# KiCad board motherboard.kicad_pcb (continued)
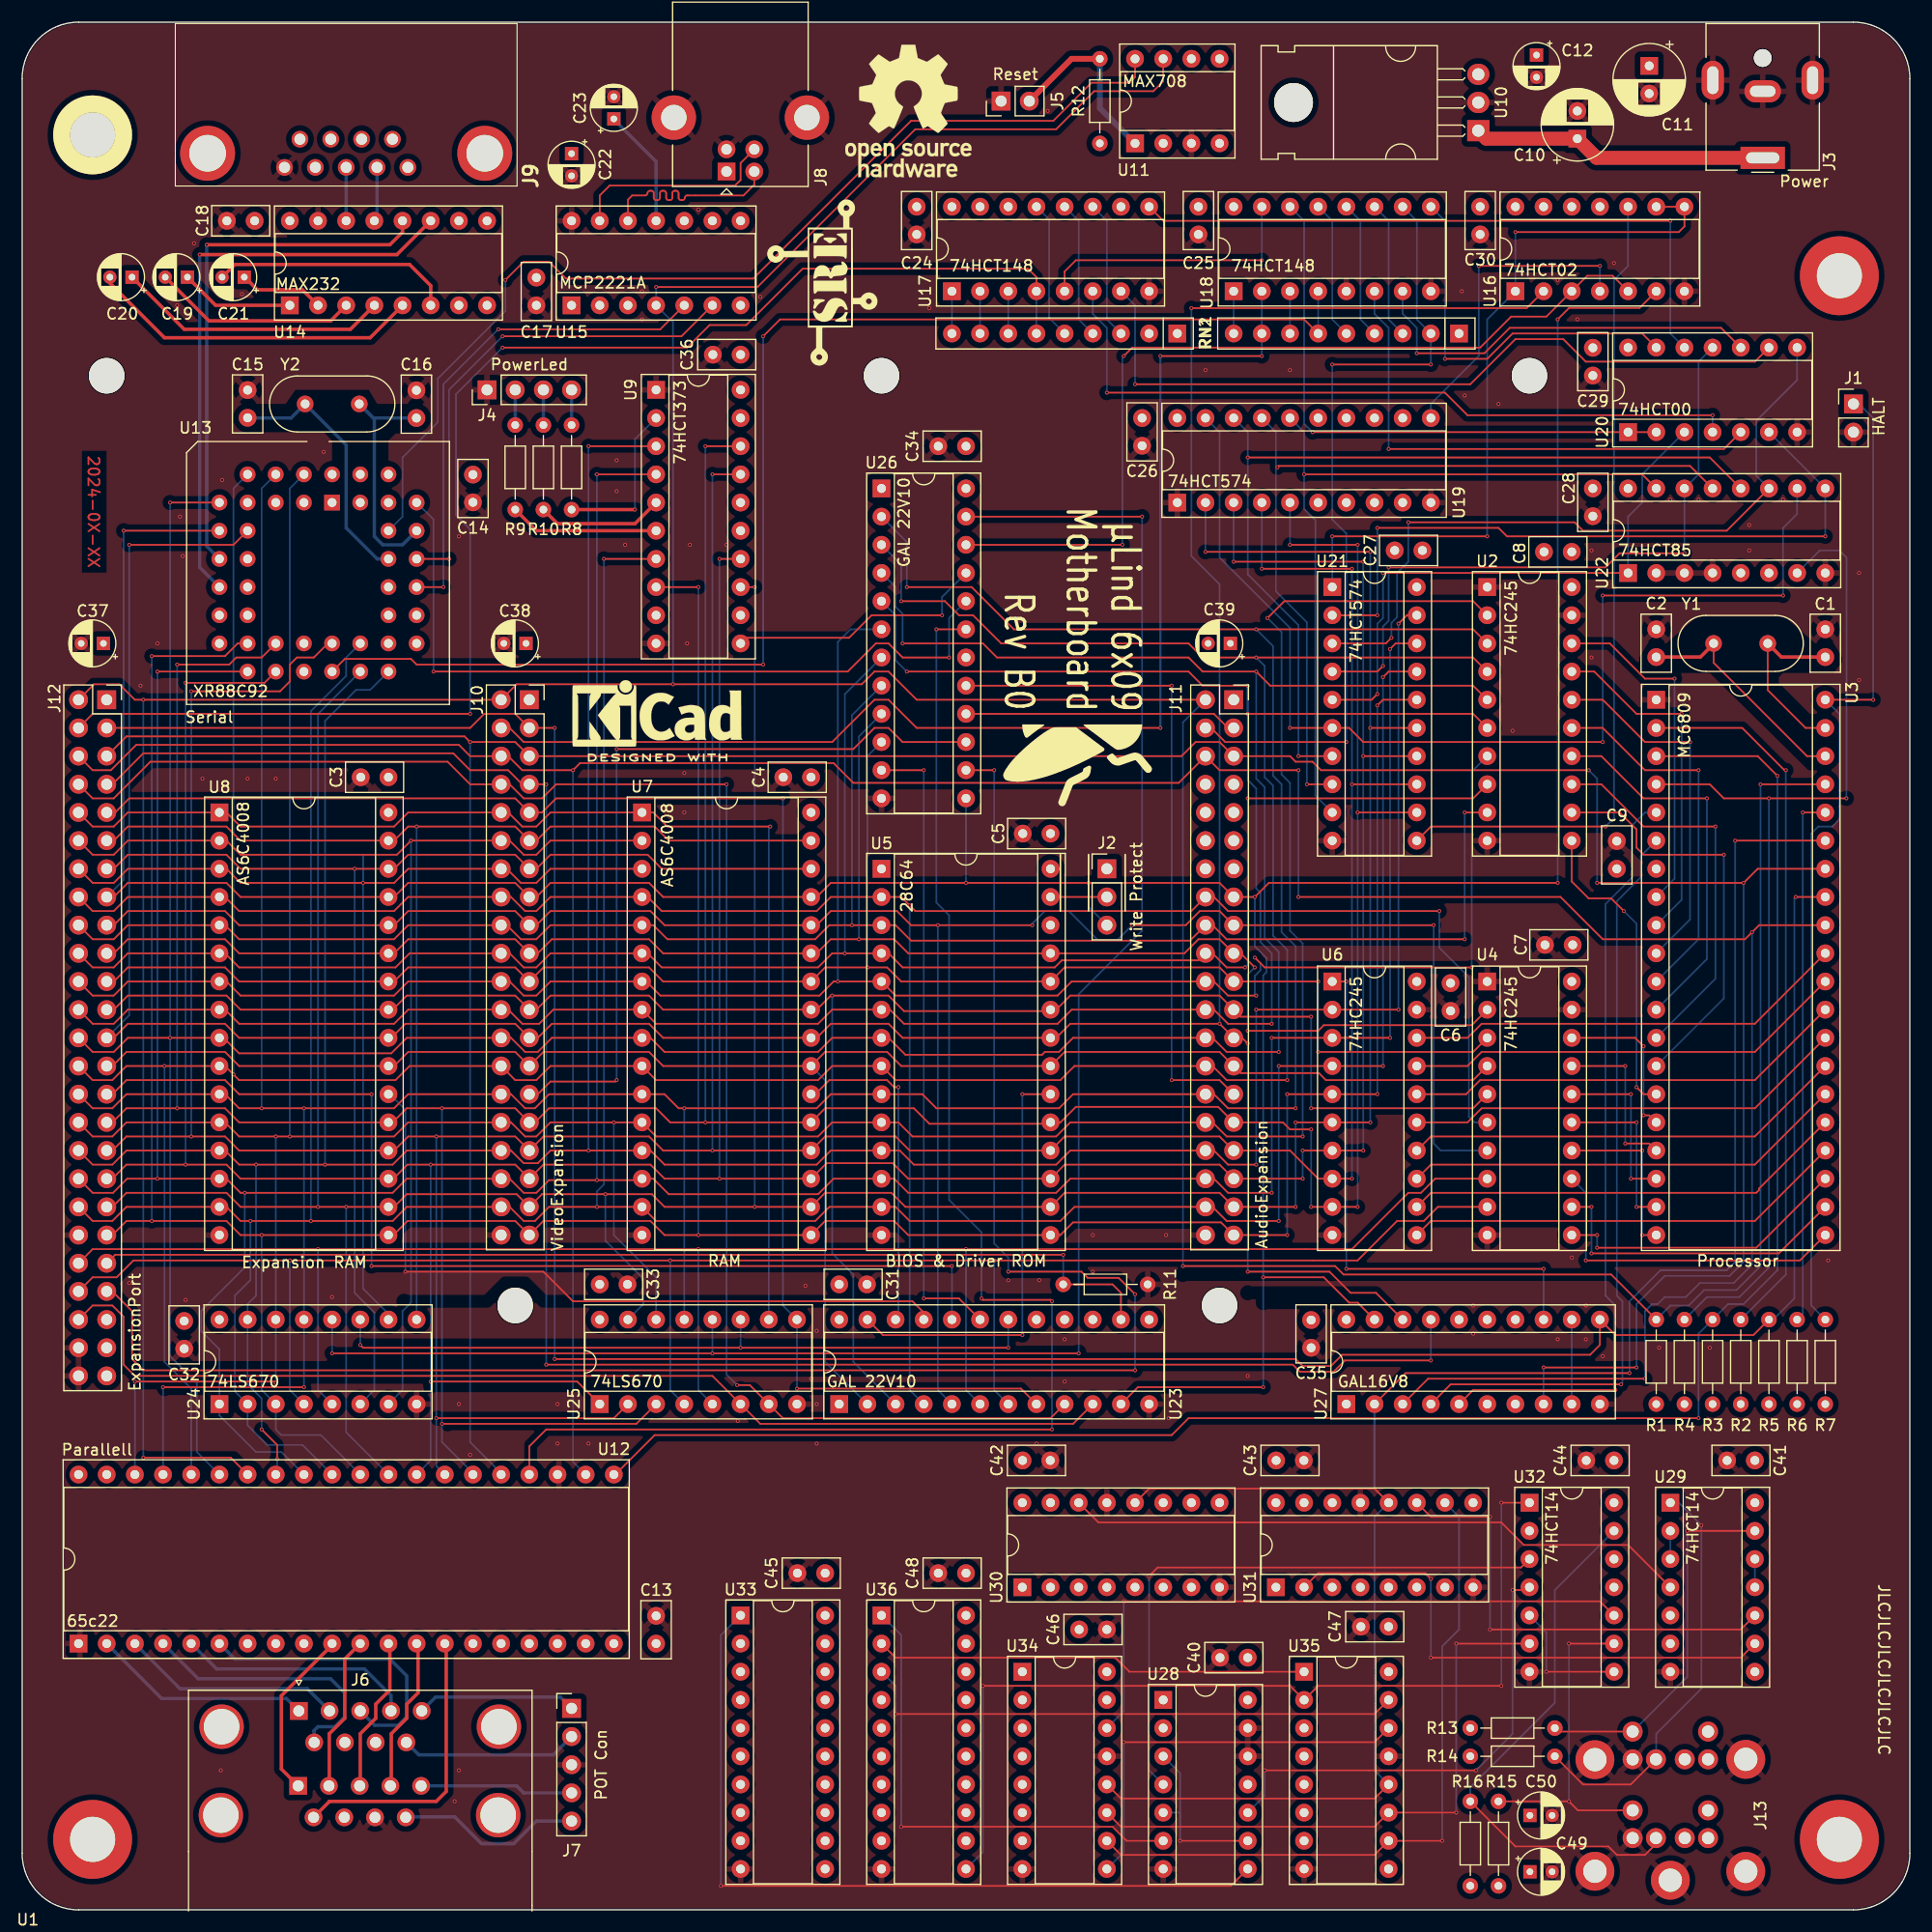
[diagram p0: board, top side]
## Routing (per net, layer and track width the routed paths; a pad name or vN(x,y) marks a point on that pad's centre or on a via; arc(x,y) is an arc through that point) (continued)
/D1: length 331
  Top w0.152: v1(112.65,64.64) 108.71,64.64 107.44,65.91 J11.36 94.49,65.91 93.22,64.64 79.88,64.64 78.61,65.91 U5.12 73.15,65.91 71.75,64.52 58.29,64.52 56.9,65.91 U7.14 55.75,65.79 47.5,65.79 46.35,64.64 45.21,64.64 43.94,65.91 J10.36 34.67,65.91 33.4,64.64 v1(20.07,64.64) 19.68,64.64 18.41,65.91 U8.14 9.46,65.91 8.19,64.64 6.35,64.64 J12.36 ; v1(112.65,78.61) U6.3 v1(123.32,78.61) ; U21.18 123.83,114.17 v1(123.32,113.66) ; v1(51.82,129.41) 51.69,129.41 U9.4 ; U13.18 v1(12.19,111.63)
  Bottom w0.152: U12.32 23.37,41.28 21.08,41.28 17.78,44.58 U24.1 17.78,50.55 16.13,52.2 16.13,53.97 20.07,57.91 v1(20.07,64.64) ; v1(123.32,78.61) v1(123.32,113.66) ; v1(51.82,129.41) v1(51.82,65.79) ; v1(112.65,78.61) v1(112.65,64.64) ; v1(12.19,111.63) v1(12.19,65.91)
/D2: length 321.9
  Top w0.152: v1(113.28,76.07) U6.4 v1(122.68,76.07) ; v1(122.68,111.12) 123.19,111.63 U21.17 ; J12.38 6.35,62.1 8.13,62.1 9.4,63.37 U8.15 18.41,63.37 19.68,62.1 v1(20.57,62.1) 33.4,62.1 34.67,63.37 J10.38 43.94,63.37 45.21,62.1 46.23,62.1 47.5,63.37 U7.15 57.15,62.1 71.5,62.1 72.77,63.37 U5.13 78.74,63.37 80.01,62.1 93.6,62.1 94.87,63.37 J11.38 107.31,63.37 108.58,62.1 v1(113.28,62.1) ; U9.7 v1(52.45,121.79)
  Bottom w0.152: v1(20.57,62.1) 20.57,56.77 19.18,55.37 19.18,46.74 U24.2 20.32,43.69 22.1,41.91 25.27,41.91 U12.31 ; v1(26.04,62.1) 26.04,108.08 29.21,111.25 29.21,112.9 U13.27 ; v1(52.45,121.79) 52.45,65.41 51.82,64.77 v1(51.82,63.37) ; v1(113.28,62.1) v1(113.28,76.07) ; v1(122.68,76.07) v1(122.68,111.12)
/D3: length 320.8
  Top w0.152: U21.16 122.68,109.09 v1(122.17,108.59) ; v1(122.17,73.53) U6.5 v1(114.05,73.53) ; J12.39 8.13,60.83 9.4,62.1 18.41,62.1 19.68,60.83 U8.17 33.46,60.83 34.73,62.1 44.45,62.1 J10.39 46.99,62.1 56.64,62.1 57.91,60.83 U7.17 72.39,62.1 78.61,62.1 79.88,60.83 U5.15 93.6,60.83 94.74,61.98 108.08,61.98 J11.39 v1(114.05,60.83) ; U13.19 19.43,114.17 18.29,113.03 v1(11.68,113.03) ; U9.8 v1(60.96,119.25)
  Bottom w0.152: v1(11.68,113.03) v1(11.68,62.1) ; U12.30 26.92,42.8 23.37,42.8 22.86,43.31 U24.3 21.59,46.86 v1(21.59,60.83) ; v1(60.96,119.25) v1(60.96,60.83) ; v1(122.17,73.53) v1(122.17,108.59) ; v1(114.05,73.53) v1(114.05,60.83)
/D4: length 347.5
  Top w0.152: v1(121.54,106.55) U21.15 ; v1(121.54,70.99) U6.6 v1(114.81,70.99) ; v1(114.81,63.37) J11.37 107.95,64.64 93.98,64.64 U5.16 79.63,63.37 78.36,64.64 72.39,64.64 U7.18 57.91,63.37 56.77,64.52 46.86,64.52 J10.37 44.58,64.52 34.67,64.52 33.53,63.37 U8.18 19.68,63.37 18.41,64.64 9.4,64.64 8.13,63.37 J12.37 ; v1(121.54,122.43) v1(106.68,122.43) ; U9.13 v1(66.04,119.25)
  Bottom w0.152: v1(121.54,122.43) v1(121.54,106.55) v1(121.54,70.99) ; v1(26.67,63.37) 26.67,107.82 U13.26 ; U12.29 29.21,43.05 v1(29.21,63.37) ; v1(106.68,122.43) U19.2 ; v1(52.58,64.52) 52.58,60.32 56.01,56.9 56.01,54.61 U25.15 ; v1(66.04,119.25) v1(66.04,63.37) ; v1(114.81,63.37) v1(114.81,70.99)
/D5: length 350.4
  Top w0.152: v1(120.9,68.45) U6.7 v1(115.44,68.45) ; v1(14.73,110.62) 21.84,110.62 U13.20 ; U25.1 50.04,47.62 v1(36.83,47.62) ; v1(115.44,65.91) J11.35 107.95,67.18 93.98,67.18 U5.17 79.88,65.91 78.49,67.31 72.52,67.31 U7.19 57.91,65.91 56.64,67.18 46.99,67.18 J10.35 44.45,67.18 34.73,67.18 33.46,65.91 U8.19 19.68,65.91 18.41,67.18 9.4,67.18 8.13,65.91 J12.35 ; U9.14 v1(62.86,121.79) ; v1(120.9,104.01) U21.14 ; v1(120.9,121.54) v1(109.22,121.54)
  Bottom w0.152: v1(62.86,121.79) v1(62.86,65.91) ; v1(115.44,68.45) v1(115.44,65.91) ; v1(36.83,67.18) 36.83,40.51 U12.28 ; v1(14.73,110.62) v1(14.73,67.18) ; v1(120.9,121.54) v1(120.9,104.01) v1(120.9,68.45) ; v1(109.22,121.54) U19.3
/D6: length 361.1
  Top w0.152: U9.17 v1(62.23,129.41) ; v1(119.89,101.47) U21.13 ; v1(37.34,44.32) 53.34,44.32 U25.2 ; v1(15.24,109.85) 23.24,109.85 24.13,110.74 24.13,112.27 24.76,112.9 26.29,112.9 27.56,114.17 U13.25 ; v1(119.89,65.91) U6.8 116.84,65.91 114.3,68.45 J11.33 107.95,69.72 93.98,69.72 U5.18 80.01,68.45 78.74,69.72 72.39,69.72 U7.20 57.78,68.45 56.52,69.72 46.99,69.72 J10.33 44.45,69.72 34.8,69.72 33.53,68.45 U8.20 19.56,68.45 18.29,69.72 9.4,69.72 8.13,68.45 J12.33 ; v1(119.89,120.9) v1(111.76,120.9)
  Bottom w0.152: v1(119.89,65.91) v1(119.89,101.47) v1(119.89,120.9) ; v1(111.76,120.9) U19.4 ; v1(37.34,69.72) 37.34,40 U12.27 ; v1(15.24,109.85) v1(15.24,69.72) ; v1(62.23,129.41) v1(62.23,68.45)
/D7: length 368.5
  Top w0.152: U9.18 v1(61.59,131.95) ; v1(116.2,63.37) U6.9 v1(120.4,63.37) ; v1(37.85,43.81) 55.37,43.81 U25.3 ; v1(120.4,98.93) U21.12 ; v1(13.97,112.27) 18.67,112.27 19.3,112.9 21.59,112.9 U13.21 ; v1(116.2,70.36) 114.3,70.36 113.67,70.99 J11.31 107.82,72.39 95,72.39 93.6,70.99 U5.19 92.58,70.87 81.79,70.87 80.39,72.26 72.39,72.26 U7.21 58.42,70.99 57.15,72.26 47.5,72.26 46.23,70.99 J10.31 44.45,72.26 34.67,72.26 33.4,70.99 U8.21 19.56,70.99 18.29,72.26 9.4,72.26 8.13,70.99 J12.31 ; v1(120.4,123.06) v1(114.3,123.06)
  Bottom w0.152: v1(61.59,131.95) v1(61.59,70.99) ; v1(116.2,63.37) v1(116.2,70.36) ; v1(13.97,112.27) v1(13.97,72.26) ; v1(37.85,72.26) 37.85,42.16 40.64,39.37 U12.26 ; v1(120.4,63.37) v1(120.4,98.93) v1(120.4,123.06) ; v1(114.3,123.06) U19.5
/Expansion Ports/BAVAIL: length 178.4
  Top w0.152: v1(47.24,101.47) J10.7 45.08,101.47 43.81,102.74 40.39,102.74 38.86,104.27 10.92,104.27 8.13,101.47 J12.7 ; v1(47.24,49.15) 114.55,49.15 115.19,48.51 118.24,48.51 119.25,49.53 v1(127,49.53)
  Bottom w0.152: v1(47.24,49.15) v1(47.24,101.47) ; v1(127,49.53) U27.17
/Expansion Ports/E: length 298.2
  Top w0.152: v1(141.99,92.58) v1(155.19,92.58) 156.46,93.85 U3.34 ; v1(141.22,102.74) 117.09,102.74 116.33,103.5 114.81,103.5 114.3,104.01 J11.5 107.95,105.28 105.79,105.28 104.52,104.01 J10.5 44.45,105.28 v1(40.39,105.28) 39.88,105.79 9.4,105.79 J12.5 ; v1(145.54,48.9) v1(137.16,48.9)
  Bottom w0.152: v1(141.99,92.58) 141.99,101.98 v1(141.22,102.74) ; v1(155.19,92.58) 155.19,58.42 153.92,57.15 148.08,57.15 145.54,54.61 v1(145.54,48.9) ; v1(40.39,105.28) 40.39,42.16 43.18,39.37 U12.25 ; v1(137.16,48.9) U27.8
/Expansion Ports/R/~{W}: length 310.2
  Top w0.152: v1(115.06,102.74) 107.95,102.74 J11.6 104.27,101.6 74.93,101.6 73.15,103.38 50.29,103.38 v1(49.66,102.74) 45.08,102.74 43.81,104.01 J10.6 40.39,104.01 39.37,105.03 10.29,105.03 8,102.74 6.35,102.74 J12.6 ; U3.32 156.59,88.77 v1(155.96,88.14) 155.32,87.5 142.49,87.5 138.68,91.31 v1(115.06,91.31) ; v1(146.3,47.88) 126.75,47.88 U27.3
  Bottom w0.152: v1(155.96,88.14) 155.96,58.17 154.31,56.52 151.26,56.52 149.99,55.25 148.08,55.25 147.45,54.61 146.94,54.61 146.3,53.97 v1(146.3,47.88) ; v1(49.66,102.74) 49.66,40.39 U12.22 ; v1(115.06,91.31) v1(115.06,102.74)
/Expansion Ports/~{BREQ}: length 254.3
  Top w0.152: J12.3 40.39,106.55 41.66,107.82 44.45,107.82 J10.3 v1(48.01,106.55) ; R5.1 156.08,51.82 143.64,51.82 U27.11 142.24,50.93 141.35,50.04 119,50.04 117.98,49.02 115.44,49.02 114.81,49.66 v1(48.01,49.66) ; v1(159.89,91.31) U3.33
  Bottom w0.152: v1(159.89,91.31) 159.77,91.19 159.77,55.12 157.86,53.21 R5.1 ; v1(48.01,106.55) v1(48.01,49.66)
/Expansion Ports/~{MAP_EN}: length 97.2
  Top w0.152: U23.14 99.06,55.63 98.3,56.39 R11.1 ; J12.41 8.38,59.06 v1(93.85,59.06)
  Bottom w0.152: v1(93.85,59.06) R11.1
/Expansion Ports/~{RAMX_EN}: length 97.6
  Top w0.152: v1(31.5,73.53) 19.56,73.53 18.29,74.8 9.4,74.8 8.13,73.53 J12.29 ; v1(31.5,58.04) v1(83.82,58.04)
  Bottom w0.152: v1(31.5,58.04) v1(31.5,73.53) ; v1(83.82,58.04) U23.20
/Expansion Ports/~{RD}: length 299.1
  Top w0.152: v1(110.49,78.1) 109.98,78.61 J11.25 v1(107.95,79.88) 94.49,79.88 93.22,78.61 U5.22 79.38,78.61 78.1,79.88 72.9,79.88 71.63,78.61 U7.24 57.78,78.61 56.52,79.88 47.75,79.88 46.48,78.61 J10.25 44.45,79.88 34.54,79.88 33.27,78.61 U8.24 19.56,78.61 18.29,79.88 9.53,79.88 8.25,78.61 J12.25 ; v1(9.65,123.06) 19.05,123.06 U13.10 ; v1(105.41,144.4) 135.64,144.4 U16.2 ; U27.18 122.05,55.63 119.76,55.63 117.86,57.53 v1(110.49,57.53)
  Bottom w0.152: v1(107.95,79.88) 107.95,119.51 105.41,122.05 v1(105.41,144.4) ; J12.25 9.65,80.65 v1(9.65,123.06) ; v1(110.49,78.1) v1(110.49,57.53)
/Expansion Ports/~{RST}: length 495.2
  Top w0.152: J11.2 80.64,109.09 78.1,111.63 76.83,111.63 75.69,110.49 44.58,110.49 J10.2 v1(10.92,109.09) 10.16,109.09 8.76,110.49 6.48,110.49 J12.2 ; v1(156.72,101.47) U3.37 ; v1(57.15,146.3) 66.29,146.3 80.52,160.53 93.22,160.53 96.65,163.96 101.98,163.96 102.87,164.85 U11.7 ; R1.1 143.26,57.28 119.13,57.28 118.36,58.04 v1(104.65,58.04) ; U34.10 99.06,4.95 121.92,4.95 U35.10 v1(128.02,6.22) ; U12.34 18.8,40.77 v1(10.92,40.77)
  Bottom w0.152: v1(104.65,58.04) 104.65,107.06 J11.2 ; v1(128.02,6.22) 128.02,23.75 129.54,25.27 129.54,35.43 U31.10 ; v1(156.72,101.47) 156.72,58.04 154.56,55.88 151.64,55.88 150.24,54.48 148.59,54.48 R1.1 ; v1(10.92,109.09) v1(10.92,40.77) ; v1(58.67,110.49) 58.67,143.13 U15.4 v1(57.15,146.3)
/Expansion Ports/~{WR}: length 320.5
  Top w0.152: v1(111.89,47.12) 100.58,47.12 U23.11 ; v1(138.43,92.58) 112.39,92.58 v1(111.12,91.31) J11.15 107.95,92.58 72.9,92.58 71.63,91.31 U7.29 57.78,91.31 56.52,92.58 47.62,92.58 46.35,91.31 J10.15 44.45,92.58 34.8,92.58 33.53,91.31 U8.29 19.68,91.31 18.41,92.58 9.53,92.58 8.25,91.31 J12.15 ; v1(138.43,143.38) 139.47,144.42 145.82,144.42 U16.6 ; U13.9 v1(9.14,124.33) ; v1(111.89,57.02) 117.35,57.02 119.63,54.74 120.4,54.74 U27.19
  Bottom w0.152: J2.3 96.14,90.42 v1(96.14,92.58) ; v1(9.14,124.33) 9.14,92.84 J12.15 ; v1(111.89,47.12) 111.89,84.25 112.18,84.54 112.18,85.81 111.12,86.87 v1(111.12,91.31) ; v1(138.43,92.58) v1(138.43,143.38) ; U26.13 v1(85.09,92.58)
/Power-Management/RST: length 94.2
  Top w0.152: U11.8 100.33,165.23 99.82,164.72 96.39,164.72 92.96,161.29 80.14,161.29 65.91,147.07 49.02,147.07 47.5,148.59 45.21,148.59 v1(43.56,146.94)
  Bottom w0.152: v1(43.56,146.94) 43.56,144.14 37.46,138.05 37.46,134.11 34.29,130.94 34.29,125.6 U13.38
/PS2/PS2_KB_CLK: length 30.7
  Top w0.152: U32.9 v1(139.45,24) ; J13.11 140.26,8.97 v1(139.45,9.78) R15.2
  Bottom w0.152: v1(139.45,24) v1(139.45,9.78)
/PS2/PS2_KB_DATA: length 49.4
  Top w0.152: J13.7 147.29,5.94 146.3,4.95 143.76,4.95 143,5.72 134.62,5.72 R16.2
  Bottom w0.152: U32.13 138.18,28.83 138.18,18.67 130.56,11.05 R16.2
/PS2/PS2_M_CLK: length 33.4
  Top w0.152: J13.5 138.49,16.07 R13.2 ; U29.13 v1(150.11,34.16)
  Bottom w0.152: v1(150.11,34.16) 150.11,20.99 J13.5
/PS2/PS2_M_DATA: length 37.5
  Top w0.152: J13.1 145.03,11.3 140.72,11.3 R14.2
  Bottom w0.152: J13.1 147.32,13.6 147.32,15.88 151.38,19.94 v1(151.38,34.67) 149.35,36.7 U29.1
/Serial-Parallel/D+: length 18.8
  Top w0.152: J8.3 66,158.71 64.77,157.48 64.77,155.96 64.26,155.45 52.96,155.45 52.07,154.56 U15.13
/Serial-Parallel/D-: length 18.8
  Top w0.152: U15.12 54.61,154.18 54.99,154.56 56.17,154.56 arc(56.32,154.62) 56.38,154.77 arc(56.44,154.92) 56.59,154.98 56.73,154.98 arc(56.88,154.92) 56.94,154.77 56.94,154.35 arc(57,154.2) 57.15,154.14 57.29,154.14 arc(57.44,154.2) 57.5,154.35 57.5,154.77 arc(57.56,154.92) 57.71,154.98 57.85,154.98 arc(58,154.92) 58.06,154.77 58.06,154.35 arc(58.12,154.2) 58.27,154.14 58.41,154.14 arc(58.56,154.2) 58.62,154.35 58.62,154.77 arc(58.68,154.92) 58.83,154.98 58.97,154.98 arc(59.12,154.92) 59.18,154.77 59.18,154.35 arc(59.24,154.2) 59.39,154.14 59.53,154.14 arc(59.68,154.2) 59.74,154.35 arc(59.8,154.5) 59.95,154.56 65.02,154.56 66,155.53 J8.2
/~{IRQ_0}: length 124.1
  Top w0.152: RN2.6 115.57,143.38 68.33,143.38 v1(66.8,141.86) ; v1(66.8,112.27) 35.56,112.27 35.05,112.78 29.08,112.78 U13.24
  Bottom w0.152: U18.4 RN2.6 ; v1(66.8,141.86) v1(66.8,112.27)
/~{IRQ_1}: length 3.8
  Bottom w0.152: U18.3 RN2.7
/~{IRQ_2}: length 111.1
  Top w0.152: v1(102.62,140.08) v1(111.76,140.08) ; v1(102.62,106.55) 80.64,106.55 78.1,109.09 76.83,109.09 73.02,105.28 45.21,105.28 43.94,106.55 J10.4
  Bottom w0.152: U18.2 RN2.8 v1(111.76,140.08)
  Bottom w0.203: v1(102.62,106.55) v1(102.62,140.08)
/~{IRQ_3}: length 3.8
  Bottom w0.152: U18.1 RN2.9
/~{IRQ_4}: length 12.5
  Bottom w0.152: U18.13 118.11,152.27 118.11,143.38 RN2.5
/~{IRQ_5}: length 12.5
  Bottom w0.152: RN2.4 120.65,143.38 120.65,152.27 U18.12
/~{IRQ_6}: length 12.5
  Bottom w0.152: RN2.3 123.19,143.38 123.19,152.27 U18.11
/~{IRQ_7}: length 72
  Top w0.152: J11.4 107.19,106.55 108.46,105.28 v1(119.38,105.28) ; v1(118.11,139.32) v1(127,139.32)
  Bottom w0.152: v1(127,139.32) RN2.2 125.73,143.38 125.73,152.27 U18.10 ; v1(118.11,139.32) 118.11,125.35 119.38,124.08 v1(119.38,105.28)
/~{IRQ_8}: length 127.6
  Top w0.152: J12.4 6.35,107.82 v1(40.39,107.82) ; U17.4 91.44,147.19 90.68,147.95 70.36,147.95 65.28,142.88 61.98,142.88 59.94,140.84 v1(43.31,140.84)
  Bottom w0.152: U17.4 RN1.6 ; v1(40.39,107.82) 40.39,124.46 39.12,125.73 39.12,136.65 v1(43.31,140.84)
/~{IRQ_9}: length 3.8
  Bottom w0.152: U17.3 RN1.7
/~{IRQ_10}: length 3.8
  Bottom w0.152: U17.2 RN1.8
/~{IRQ_11}: length 3.9
  Bottom w0.152: U17.1 83.82,142.24 83.95,142.11
/~{IRQ_12}: length 12.5
  Bottom w0.152: U17.13 92.58,152.4 92.58,143.51 RN1.5
/~{IRQ_13}: length 12.5
  Bottom w0.152: RN1.4 95.25,143.38 95.25,152.27 U17.12
/~{IRQ_14}: length 12.5
  Bottom w0.152: U17.11 97.79,152.27 97.79,143.38 RN1.3
~{RD}': length 7.6
  Bottom w0.152: U27.9 U27.12
Net-(J2-Pin_2): length 5.1
  Top w0.152: J2.2 U5.27
Net-(J4-BA): length 3.2
  Bottom w0.305: J4.4 R8.1
Net-(J4-GA): length 3.2
  Bottom w0.305: J4.3 R10.1
Net-(J4-RA): length 3.2
  Bottom w0.305: J4.2 R9.1
Net-(J7-Pin_1): length 14.4
  Bottom w0.305: J7.1 48.51,19.18 37.26,19.18 J6.5
Net-(J7-Pin_2): length 16
  Bottom w0.305: J7.2 47.88,13.97 35.76,13.97 34.63,15.09
Net-(J7-Pin_4): length 13.8
  Bottom w0.305: J7.4 45.21,10.54 44.58,11.18 J6.15
Net-(J7-Pin_5): length 16.8
  Bottom w0.305: J7.5 46.35,8 44.32,5.97 41.4,5.97 38.99,8.38 34.62,8.38 J6.19
Net-(U3-EXTAL): length 21
  Top w0.152: U3.38 160.91,104.01 152.49,112.43 Y1.1
  Top w0.305: Y1.1 152.49,114.14 151.3,112.94 C2.1
Net-(U3-XTAL): length 16.5
  Top w0.152: U3.39 160.78,106.55 157.37,109.97 Y1.2
  Top w0.305: C1.1 158.6,112.94 Y1.2
Net-(U9-O0): length 14.8
  Top w0.305: R8.2 v1(55.24,126.24)
  Bottom w0.152: U9.2 55.24,132.59 v1(55.24,126.24)
Net-(U9-O1): length 11.5
  Top w0.305: R10.2 48.26,124.97 55.24,124.97 U9.5
Net-(U9-O2): length 13.5
  Top w0.305: U9.6 46.35,124.33 R9.2
Net-(U10-Vin): length 26.7
  Top w1.25: J3.1 141.94,157.95 C10.1 132,159.68 U10.1
Net-(U11-~{MR}): length 16.9
  Top w0.521: J5.2 94.6,166.88 R12.2
  Bottom w0.521: R12.2 97.16,162.43 U11.1
Net-(U12-PA0): length 19.8
  Bottom w0.305: U12.2 12.57,19.05 23.82,19.05 J6.1
Net-(U12-PA1): length 20.1
  Bottom w0.305: J6.2 25.7,19.94 14.22,19.94 U12.3
Net-(U12-PA2): length 24.8
  Bottom w0.305: U12.4 15.87,20.83 27.81,20.83 29.08,19.56 29.08,17.4 28.19,16.51 26.67,16.51 26.29,16.13 26.32,16.09 J6.6
Net-(U12-PA3): length 21.3
  Bottom w0.305: J6.4 33.25,19.33 30.86,21.72 17.53,21.72 U12.5
Net-(U12-PA4): length 26.8
  Bottom w0.305: J6.3 31.78,16.64 33.91,16.64 34.67,17.4 34.67,21.08 33.15,22.61 19.18,22.61 U12.6
Net-(U12-PB0): length 15.3
  Top w0.305: J6.11 23.37,12.69 23.37,19.3 27.94,23.88 U12.10
Net-(U12-PB1): length 14
  Top w0.305: U12.11 29.08,22.61 29.08,17.27 27.69,15.88 27.69,11.21 J6.12
Net-(U12-PB2): length 14
  Top w0.305: U12.12 33.15,23.88 33.15,19.81 31.88,18.54 31.88,17.27 30.48,15.88 30.48,11.23 J6.13
Net-(U12-PB3): length 13.9
  Top w0.305: J6.14 33.27,11.26 33.27,15.88 34.67,17.27 34.67,18.54 35.69,19.56 35.69,23.88 U12.13
Net-(U12-PB4): length 26.3
  Top w0.305: U12.14 38.23,23.88 38.23,10.67 37.34,9.78 27.69,9.78 27.69,9.75 J6.16
Net-(U13-RxA): length 45.1
  Top w0.152: U15.6 59.44,141.86 v1(43.31,141.86) ; U13.35 v1(38.48,121.79)
  Bottom w0.152: v1(38.48,121.79) 38.48,137.03 v1(43.31,141.86)
Net-(U13-RxB): length 47.9
  Top w0.305: U14.12 34.29,151.26 33.15,150.11 v1(16.64,150.11)
  Bottom w0.305: v1(16.64,150.11) 16.64,122.94 U13.11
Net-(U13-TxA): length 45.4
  Top w0.152: U15.5 57.53,142.49 v1(42.93,142.49) ; U13.33 v1(37.97,119.25)
  Bottom w0.152: v1(42.93,142.49) 37.97,137.54 v1(37.97,119.25)
Net-(U13-TxB): length 52.8
  Top w0.305: v1(16,149.22) 33.78,149.22 U14.11
  Bottom w0.305: v1(16,149.22) 16,121.03 U13.13
Net-(U13-X1/CLK): length 23.4
  Bottom w0.305: 20.34,134.49 24.24,134.49 Y2.2 29.21,132.06 29.21,124.59 32,121.79 U13.36
  Bottom w0.521: C15.1 20.34,134.49
Net-(U13-X2): length 22.8
  Bottom w0.305: U13.37 34.29,123.06 32.51,123.06 31.75,123.82 31.75,134.4 Y2.1 31.66,134.49 C16.1
Net-(U14-C1+): length 10.3
  Top w0.305: C19.1 17.44,144.65 U14.1
Net-(U14-C1-): length 18.5
  Top w0.305: U14.3 27.81,143.26 16.84,143.26 C19.2
Net-(U14-C2+): length 24.7
  Top w0.305: C20.1 14.61,142.49 29.59,142.49 U14.4
Net-(U14-C2-): length 30.2
  Top w0.305: 7.91,146.65 12.83,141.73 31.37,141.73 U14.5
  Bottom w0.305: 7.91,146.65 C20.2
Net-(U14-R1IN): length 4.9
  Bottom w0.305: U14.13 31.99,152.51 J9.2
Net-(U14-T1OUT): length 4.8
  Bottom w0.305: J9.3 U14.14
Net-(U14-VS+): length 7.7
  Top w0.305: 20.07,147.19 21.21,146.05 25.27,146.05 U14.2
Net-(U14-VS-): length 21.8
  Top w0.305: U14.6 36.83,146.43 34.92,148.34 19.17,148.34 C21.2
Net-(U15-VUSB): length 10.8
  Bottom w0.305: C23.1 53.34,161.42 57.15,157.61 U15.11
Net-(U17-EI): length 24.8
  Top w0.152: U17.5 93.98,147.7 95,148.72 v1(111.76,148.72)
  Bottom w0.152: v1(111.76,148.72) U18.15
Net-(U17-S0): length 59.5
  Top w0.152: v1(148.59,152.27) 102.87,152.27 U17.9
  Bottom w0.152: U20.12 148.59,142.11 v1(148.59,152.27)
Net-(U17-S1): length 69.1
  Top w0.152: U20.9 156.21,139.57 140.97,139.57 138.94,141.61 134.62,141.61 130.56,137.54 v1(100.33,137.54)
  Bottom w0.152: U17.7 100.33,144.65 v1(100.33,137.54)
Net-(U17-S2): length 66.6
  Top w0.152: v1(152.4,134.75) 130.3,134.75 128.27,136.78 v1(97.79,136.78)
  Bottom w0.152: v1(97.79,136.78) 97.79,142.62 96.52,143.89 U17.6 ; v1(152.4,134.75) U20.4
Net-(U18-GS): length 52.1
  Top w0.152: v1(116.33,133.22) U20.1 U20.2
  Bottom w0.152: U18.14 115.57,152.27 115.57,133.99 v1(116.33,133.22)
Net-(U18-S0): length 34.8
  Top w0.152: v1(128.27,139.83) 132.08,139.83 134.37,142.11 146.05,142.11 U20.13
  Bottom w0.152: v1(128.27,139.83) 128.27,152.27 U18.9
Net-(U18-S1): length 37
  Top w0.152: v1(125.73,140.33) 131.83,140.33 134.11,142.62 153.16,142.62 U20.10
  Bottom w0.152: U18.7 124.46,143.89 125.73,142.62 v1(125.73,140.33)
Net-(U18-S2): length 47.1
  Top w0.152: v1(123.19,131.7) 153.42,131.7 U20.5
  Bottom w0.152: U18.6 121.92,143.89 123.19,142.62 v1(123.19,131.7)
Net-(U19-Cp): length 28.7
  Top w0.152: v1(142.24,148.21) v1(131.32,148.21)
  Bottom w0.152: v1(131.32,148.21) 131.32,140.08 127,135.76 U19.11 ; U16.4 v1(142.24,148.21)
Net-(U19-Q0): length 99.5
  Top w0.152: v1(114.3,106.55) U21.6 119.63,106.55 120.9,105.28 v1(142.49,105.28) ; v1(142.49,118.49) v1(158.75,118.49)
  Bottom w0.152: v1(158.75,118.49) 158.75,124.59 160.02,125.86 U22.10 ; v1(142.49,105.28) v1(142.49,118.49) ; v1(114.3,106.55) 114.3,115.57 107.95,121.92 107.95,133.22 U19.19
Net-(U19-Q1): length 81.6
  Top w0.152: v1(110.49,130.94) 152.15,130.94 U22.12 ; U21.7 v1(115.06,104.01)
  Bottom w0.152: U19.18 110.49,133.22 v1(110.49,130.94) 110.49,120.4 115.06,115.82 v1(115.06,104.01)
Net-(U19-Q2): length 77.2
  Top w0.152: U22.13 150.37,130.18 113.28,130.18 v1(113.16,130.05) ; v1(115.82,101.47) U21.8
  Bottom w0.152: U19.17 113.03,133.22 113.03,130.18 v1(113.16,130.05) 113.03,129.92 113.03,118.87 115.82,116.08 v1(115.82,101.47)
Net-(U19-Q3): length 69.4
  Top w0.152: v1(115.57,129.41) 146.05,129.41 U22.15
  Bottom w0.152: U19.16 115.57,133.22 v1(115.57,129.41) 115.57,126.3 116.59,125.29 116.59,100.46 U21.9
Net-(U21-Cp): length 74.3
  Top w0.152: U21.11 127,97.66 v1(142.75,97.66)
  Bottom w0.152: v1(142.75,97.66) 143.51,98.43 143.51,146.94 144.78,148.21 U16.10
Net-(U21-D0): length 64.1
  Top w0.152: v1(122.17,124.59) 133.1,124.59 133.86,123.82 v1(162.56,123.82) ; U21.2 v1(122.17,116.71)
  Bottom w0.152: U20.6 U22.9 v1(162.56,123.82) ; v1(122.17,116.71) v1(122.17,124.59)
Net-(U21-D1): length 65.7
  Top w0.152: v1(124.97,125.09) 139.95,125.09 140.72,124.33 153.67,124.33 U22.11 ; U21.3 122.94,114.17 v1(123.44,114.68)
  Bottom w0.152: v1(123.44,114.68) 123.44,116.03 123.95,116.54 123.95,120.52 124.97,121.54 v1(124.97,125.09) ; U20.8 160.02,137.92 156.34,134.24 156.34,129.29 U22.11
Net-(U21-D2): length 60.7
  Top w0.152: v1(122.68,112.14) 122.17,111.63 U21.4 ; v1(123.19,121.03) 142.75,121.03 144.02,122.3 v1(149.86,122.3)
  Bottom w0.152: U20.11 151.13,139.57 151.13,129.41 U22.14 v1(149.86,122.3) ; v1(122.68,112.14) 122.68,115.7 123.19,116.21 v1(123.19,121.03)
Net-(U21-D3): length 52.3
  Top w0.152: U21.5 121.67,109.09 v1(122.17,109.6) ; v1(122.68,120.52) U22.1
  Bottom w0.152: U22.1 144.78,125.6 146.05,126.87 146.05,129.41 U20.3 ; v1(122.68,120.52) 122.68,116.46 122.17,115.95 v1(122.17,109.6)
Net-(U21-OE): length 66.8
  Top w0.152: U16.9 U16.8 149.86,151.76 149.35,151.26 v1(134.62,151.26) ; v1(118.11,123.82) v1(132.08,123.82)
  Bottom w0.152: v1(134.62,151.26) U16.1 132.08,143.38 v1(132.08,123.82) ; U21.1 v1(118.11,123.82)
Net-(U28-Pad3): length 17.4
  Top w0.152: U28.9 v1(104.39,6.22)
  Bottom w0.152: U28.5 104.39,8.76 104.39,7.24 ; 104.39,7.24 v1(104.39,6.22) ; 104.39,7.24 104.39,12.32 U28.3
Net-(U28-Pad10): length 42.7
  Top w0.152: v1(134.37,28.83) 135.64,28.83 U32.4 ; v1(131.06,12.57) v1(112.01,12.57)
  Bottom w0.152: U28.10 112.01,10.29 v1(112.01,12.57) ; v1(134.37,28.83) 134.37,15.88 v1(131.06,12.57)
Net-(U29-Pad2): length 2.5
  Bottom w0.152: U29.2 U29.3
Net-(U29-Pad11): length 2.5
  Bottom w0.152: U29.11 U29.12
Net-(U30-SER): length 56.5
  Top w0.152: U30.14 97.03,34.93 133.35,34.93 135.38,32.89 144.78,32.89 U29.4
Net-(U30-SRCLK): length 41.7
  Top w0.152: U31.11 127,35.43 v1(132.33,35.43) ; U29.10 154.94,25.27 v1(132.33,25.27)
  Bottom w0.152: v1(132.33,25.27) v1(132.33,35.43)
Net-(U31-QC): length 49
  Top w0.152: U31.2 116.84,30.35 126.49,30.35 v1(127,29.84) ; v1(127,22.73) 154.94,22.73 U29.9
  Bottom w0.152: v1(127,22.73) v1(127,29.84)
Net-(U32-Pad5): length 11.8
  Top w0.152: U32.8 v1(137.41,21.46)
  Bottom w0.152: v1(137.41,21.46) 137.41,25.02 U32.5
Net-(U33-OE): length 73.2
  Top w0.152: v1(62.99,2.16) 108.97,2.16 U28.8
  Bottom w0.152: v1(62.99,2.16) 62.99,24.77 U33.1
Net-(U34-QH'): length 36.5
  Top w0.152: v1(99.31,15.11) 121.92,15.11 U35.14
  Bottom w0.152: U34.9 99.31,5.21 v1(99.31,15.11)
Net-(U34-SER): length 56.8
  Top w0.152: U32.10 142.24,27.81 v1(99.31,27.81)
  Bottom w0.152: v1(99.31,27.81) 99.31,17.91 U34.14
Net-(U34-SRCLK): length 54.4
  Top w0.152: v1(129.29,8.76) U35.11 121.92,7.49 99.06,7.49 U34.11 ; v1(129.29,24) U32.6
  Bottom w0.152: v1(129.29,8.76) v1(129.29,24)
Net-(U35-QA): length 49.3
  Top w0.152: v1(78.74,17.65) 121.92,17.65 U35.15
  Bottom w0.152: U36.3 78.74,20.19 v1(78.74,17.65)
Net-(U35-QB): length 39.2
  Top w0.152: U36.2 78.74,22.73 98.55,22.73 99.82,21.46 U35.1
Net-(U35-QC): length 84
  Top w0.152: v1(133.35,20.19) 116.84,20.19 U35.2 114.3,20.19 v1(86.61,20.19) ; U32.1 v1(133.35,36.7)
  Bottom w0.152: U36.11 86.61,5.21 v1(86.61,20.19) ; v1(133.35,36.7) v1(133.35,20.19)
Net-(U36-OE): length 43.9
  Top w0.152: U28.6 99.57,6.22 98.3,7.49 v1(79.25,7.49)
  Bottom w0.152: v1(79.25,7.49) 79.25,24.77 U36.1

## Copper pours and planes (outline as drawn; the poured copper is in the pictures)
GND on Top, Bottom, In2.Cu: -1.27,171.32 -1.27,-1.4 171.45,-1.4 171.45,171.32
VCC on In1.Cu: -1.91,171.96 -1.91,-2.03 172.09,-2.03 172.09,171.96

## Text on the board
B.Silkscreen: For / Linus & Love
Top: 2024-0X-XX
F.Silkscreen: Serial | Expansion RAM | RAM | BIOS & Driver ROM | Processor | Parallell | JLCJLCJLCJLCJLCJLC | Rev B0 | µLind 6x09 / Motherboard
